# Altium PCB Archimajor.PcbDoc (part 11 of 13)
Units mil, origin at the board's own origin, x right, y up, seen from the top; angles counter-clockwise.
Board outline 7480.32 x 5511.81 mil, 6 copper layers (Top Layer, Top GND, Power Plane, Mid1, Bot GND, Bottom Layer), stack 69.913 mil thick; 1038 components, 682 nets, 3229 pads, 2870 vias.
Unrouted connection lines stored in the file: 97.
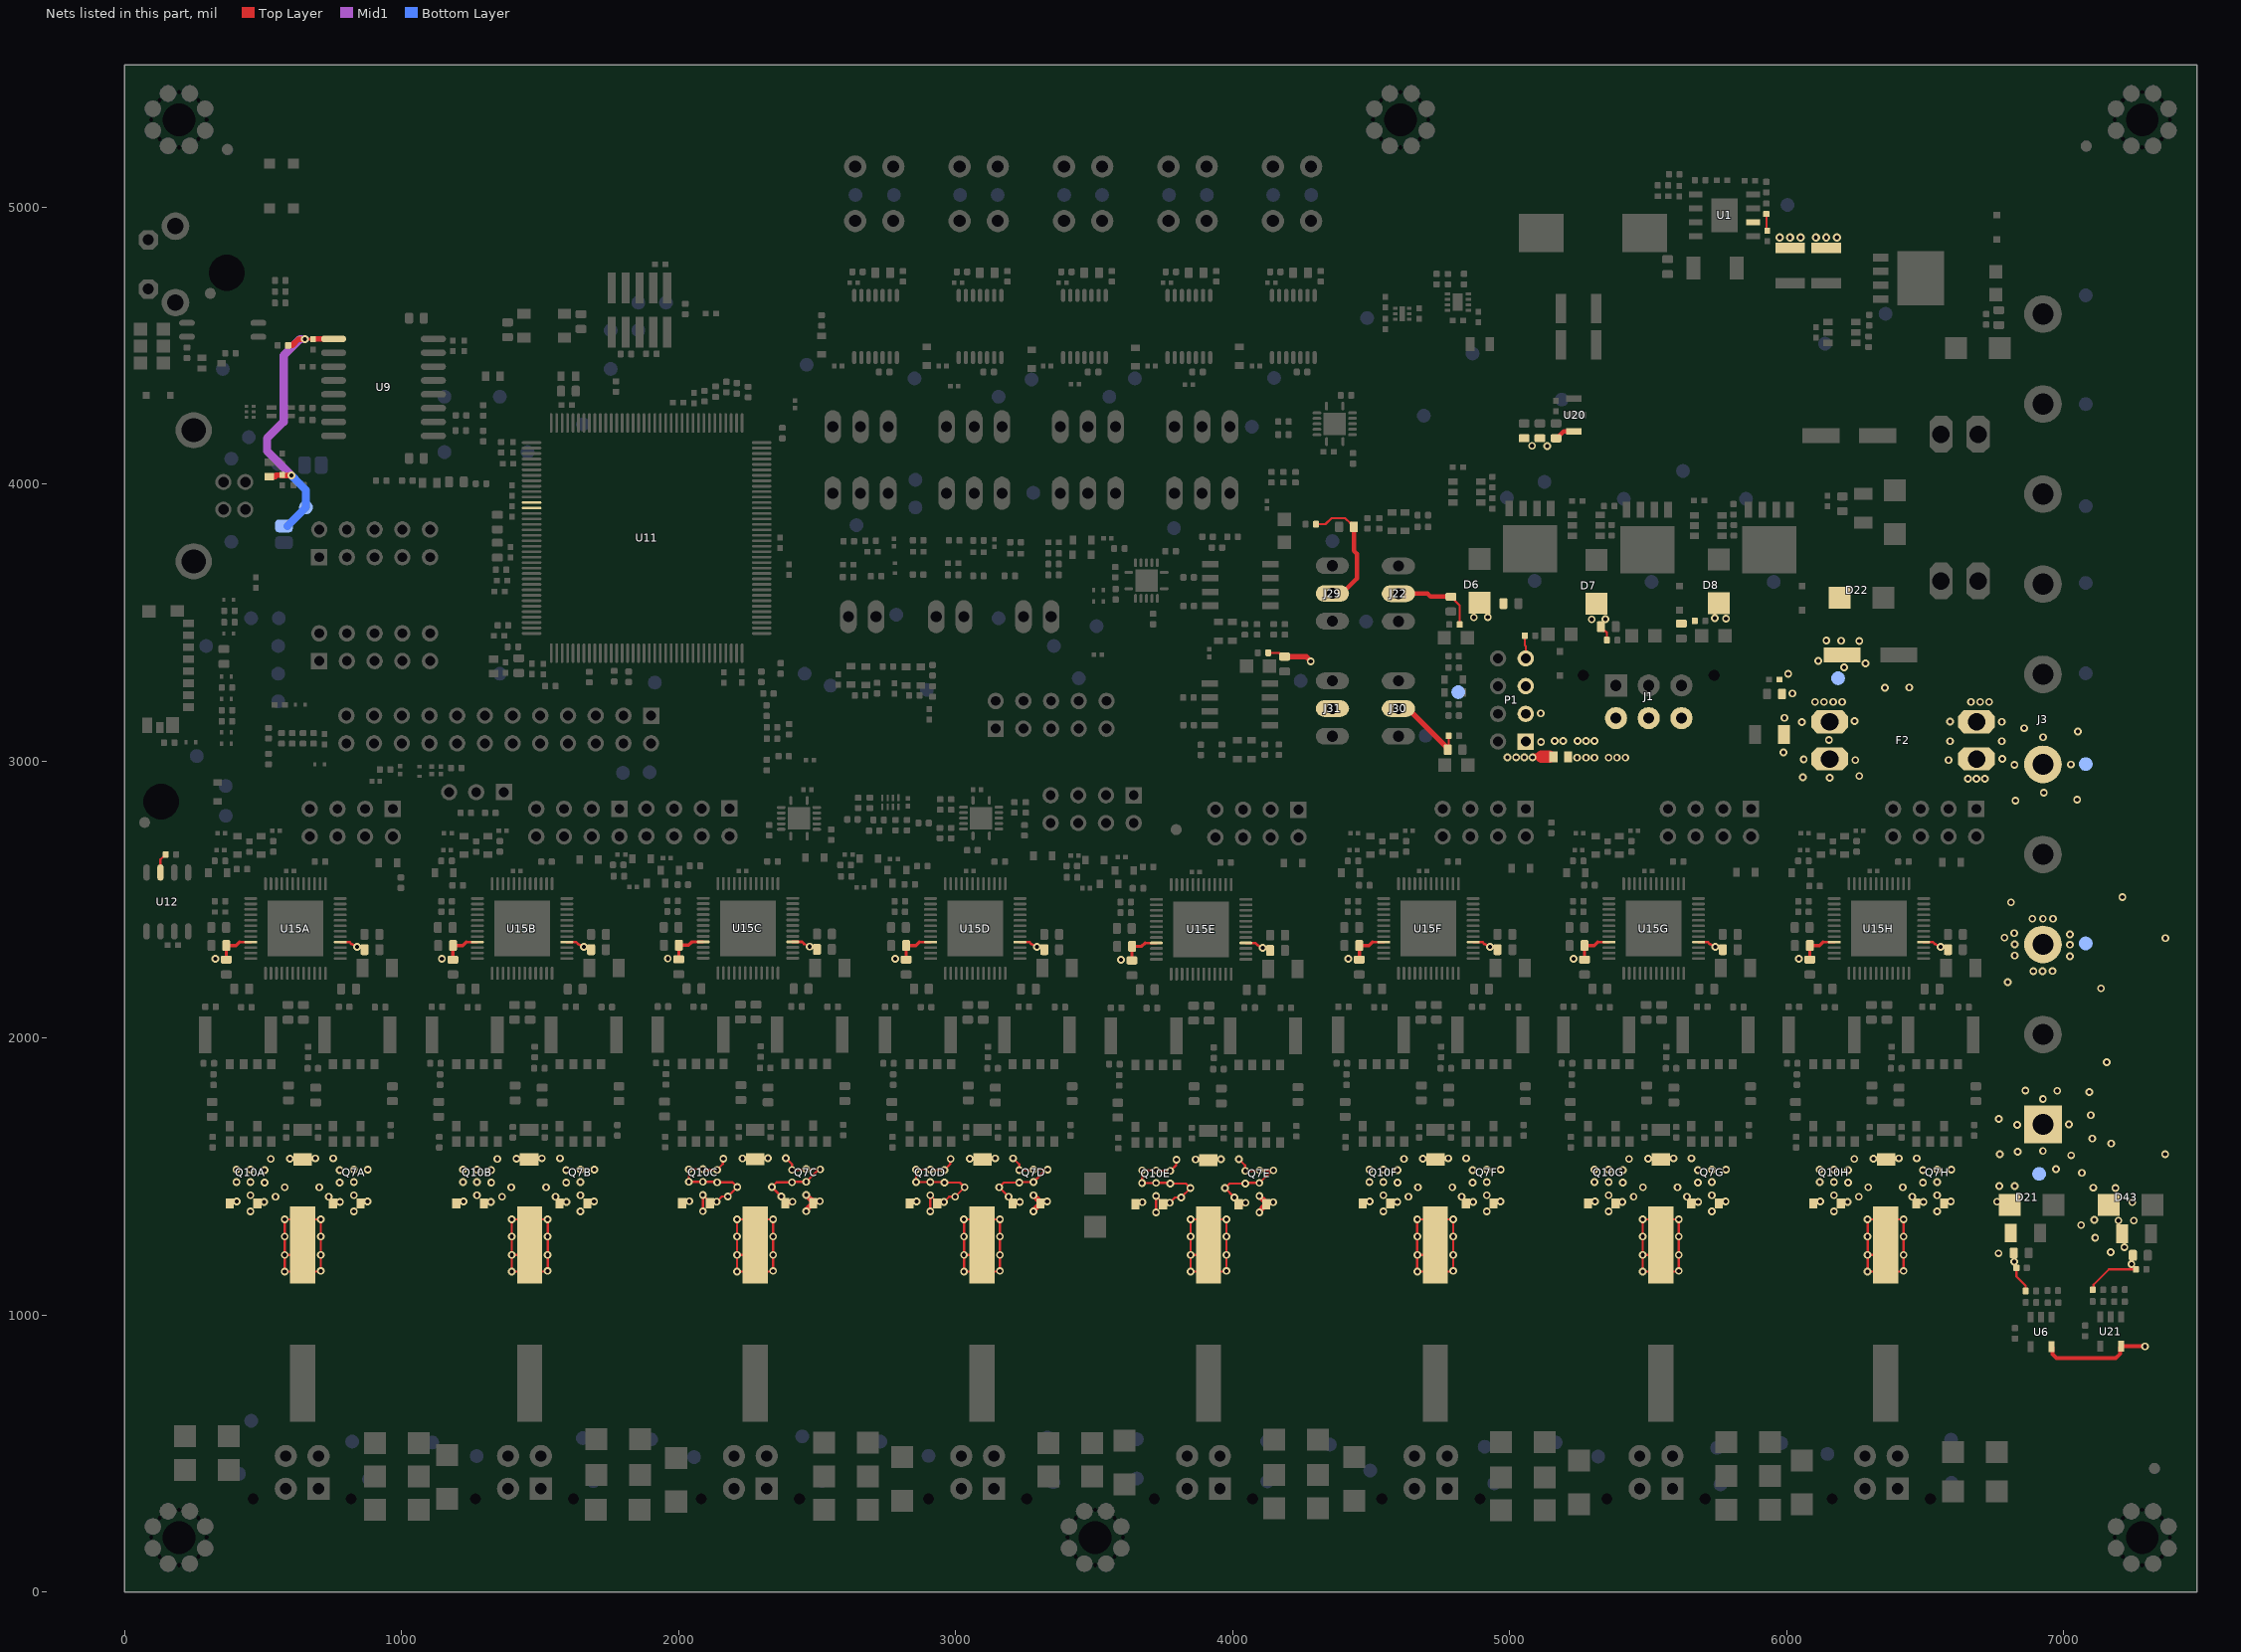
[diagram p15: the nets of this part, all layers, seen from the top]

## Via types
v1: diameter 28, hole 15, Top Layer to Bottom Layer, tented both sides, 2412 vias
v2: diameter 22, hole 10, Top Layer to Bottom Layer, 302 vias
v3: diameter 28, hole 15, Top Layer to Bottom Layer, 113 vias
v4: diameter 29, hole 15, Top Layer to Bottom Layer, tented both sides, 16 vias
v5: diameter 30, hole 15, Top Layer to Bottom Layer, 16 vias
v6: diameter 22, hole 10, Top Layer to Bottom Layer, tented both sides, 11 vias

## Nets (pads, with @x,y where several pads share a name; then routed paths per layer and width w, separated by ;. In a path a pad name is that pad's centre, name@x,y a point inside that pad or via, vN(x,y) a via of type N, cw(c..) or ccw(c..) an arc to the next point about the centre after c; other vN are vias at no path point) (continued)
VFAN: C153.1 C154.1 C209.1 C211.1 J22.2 J29.2 J30.2 J31.2 P1.1 P1.3 R12.2 R14.2 R15.2 R96.2 R103.2 TP1.TP | length 1308.8
  Top Layer w8: R15.2@4128.96,3390.13 4168.02,3390.13 4181.6,3376.55 C211.1@4187.71,3376.55 ; R96.2@4301.2,3854.7 4335.35,3854.7 4357.19,3876.54 4406.22,3876.54 4423.35,3859.41 4427.48,3859.41 4437.91,3848.99 C154.1@4437.91,3844.86 ; C209.1@4776.1,3040.72 4779.73,3044.36 R14.2@4779.73,3090.92 ; C153.1@4792.23,3593.09 4802.66,3582.66 4802.66,3578.53 4819.9,3561.29 R12.2@4819.9,3492.5
  Top Layer w16: J29.2@4360.24,3604.72 4394.43,3604.72 4448.54,3658.83 4448.54,3747.42 4437.91,3758.05 C154.1@4437.91,3844.86 ; J22.2@4598.42,3603.74 4703.44,3603.74 4714.09,3593.09 C153.1@4788.11,3593.09 C153.1@4792.23,3593.09
  Top Layer w20: C211.1@4187.71,3376.55 4265.27,3376.55 v1(4282.2,3359.62) ; J30.2@4598.42,3188.98 4632.96,3188.98 4771.53,3050.41 4771.53,3045.29 C209.1@4776.1,3040.72 ; 5143.42,3015.13 R103.2@5158.01,3015.13
  Top Layer w24: v1(5082.4,3013.16) 5083.16,3013.93 5085.99,3013.93 5087.19,3015.13 5114.88,3015.13
  Top Layer w44: 5114.88,3015.13 5143.42,3015.13
  other v1: 4991.85,3013.16 5023.34,3013.16 5052.87,3013.16 5112.91,3068.28 5111.92,3171.63
VMOTA: C47A.2 C47B.2 C47C.2 C47D.2 C61A.2 C61B.2 C61C.2 C61D.2 C93.2 C94.1 C95.1 C121A.2 C121B.2 C121C.2 C121D.2 C122A.2 C122B.2 C122C.2 C122D.2 C152A.1 C152B.1 C152C.1 C152D.1 D43.K J3.3 Q7A.5 Q7A.7 Q7B.5 Q7B.7 Q7C.5 Q7C.7 Q7D.5 Q7D.7 Q10A.5 Q10A.7 Q10B.5 Q10B.7 Q10C.5 Q10C.7 Q10D.5 Q10D.7 R154.1 TP79.1 U15A.4 U15A.33 U15B.4 U15B.33 U15C.4 U15C.33 U15D.4 U15D.33 | length 6460
  Top Layer w8: C152A.1@643.5,1252.83 607.7,1217.03 v1(578.55,1217.03) ; C152B.1@1427.01,1217.03 v1(1397.87,1217.03) ; Q10C.5@2013.2,1403.53 2020.47,1410.8 v1(2038.74,1410.8) ; v1(2087.95,1374.38) v1@2087.95,1432.72 ; v1(2087.95,1433.44) v1@2087.95,1432.72 ; v1(2161.77,1564.46) 2160.33,1563.03 2160.33,1545.13 v1(2139.13,1523.93) 2089.98,1523.93 v1(2087.95,1525.96) 2037.45,1525.96 v1(2037.27,1525.78) v1(2037.27,1480.5) 2087.77,1480.5 v1(2087.95,1480.68) 2137.1,1480.68 v1(2139.13,1478.65) 2195.29,1478.65 v1(2211.96,1461.98) 2211.96,1461.6 v1(2178.02,1427.65) 2156.37,1427.65 v1(2137.66,1408.95) 2118.62,1408.95 Q10C.7@2113.2,1403.53 2113.2,1407.47 v1@2087.95,1432.72 ; v1(2230.63,1565.33) 2273.19,1565.33 C61C.2@2276.18,1562.34 2280.16,1566.31 v1(2322.16,1566.31) ; C152C.1@2276.51,1252.83 2240.7,1217.03 v1(2211.56,1217.03) ; Q7C.5@2385.69,1403.53 2385.69,1407.47 2370.87,1422.29 v1(2370.87,1427.65) 2370.87,1428.04 v1(2336.92,1461.98) 2353.59,1478.65 v1(2409.76,1478.65) 2411.79,1480.68 v1(2460.94,1480.68) 2498.44,1518.18 2498.61,1518.18 2506.21,1525.78 v1(2511.62,1525.78) 2511.44,1525.96 v1(2460.94,1525.96) 2458.91,1523.93 v1(2409.76,1523.93) 2409.25,1524.44 2409.25,1544.19 v1(2387.12,1566.31) ; Q10D.5@2833.76,1402.57 2841.02,1409.84 v1(2859.29,1409.84) ; v1(2908.5,1373.43) v1@2908.5,1431.76 ; v1(2908.5,1432.48) v1@2908.5,1431.76 ; v1(2982.32,1563.51) 2980.89,1562.07 2980.89,1544.17 v1(2959.68,1522.97) 2910.53,1522.97 v1(2908.5,1525) 2858.01,1525 v1(2857.83,1524.82) v1(2857.83,1479.54) 2908.32,1479.54 v1(2908.5,1479.72) 2957.65,1479.72 v1(2959.68,1477.69) 3015.85,1477.69 v1(3032.52,1461.02) 3032.52,1460.64 v1(2998.57,1426.69) 2976.92,1426.69 v1(2958.22,1407.99) 2939.17,1407.99 Q10D.7@2933.76,1402.57 2933.76,1406.51 v1@2908.5,1431.76 ; v1(3051.18,1564.37) 3093.75,1564.37 C61D.2@3096.74,1561.38 3100.72,1565.35 v1(3142.72,1565.35) ; C152D.1@3095.35,1252.83 3059.55,1217.03 v1(3030.41,1217.03) ; Q7D.5@3206.24,1402.57 3206.24,1406.51 3191.42,1421.33 v1(3191.42,1426.69) 3191.42,1427.08 v1(3157.48,1461.02) 3174.15,1477.69 v1(3230.31,1477.69) 3232.35,1479.72 v1(3281.5,1479.72) 3319,1517.23 3319.17,1517.23 3326.76,1524.82 v1(3332.17,1524.82) 3331.99,1525 v1(3281.5,1525) 3279.47,1522.97 v1(3230.31,1522.97) 3229.8,1523.48 3229.8,1543.23 v1(3207.68,1565.35) ; R154.1@7104.6,1090.81 7107.73,1093.94 7107.73,1109.06 7163.28,1164.61 C94.1@7260.8,1164.61 ; v1(578.55,1217.03) v1(578.55,1282.98) 578.55,1344.98 645.45,1344.98 v1(708.48,1344.98) 708.48,1282.98 708.48,1217.03 708.48,1156.96 647.42,1156.96 v1(578.55,1156.96) v1(578.55,1217.03) ; v1(1397.87,1217.03) v1(1397.87,1282.98) 1397.87,1344.98 1464.76,1344.98 1489.83,1344.98 v1(1527.79,1344.98) v1(1527.76,1282.98) v1(1527.76,1217.03) 1527.79,1156.96 1466.73,1156.96 v1(1397.87,1156.96) v1(1397.87,1217.03) ; v1(2211.56,1217.03) v1(2211.56,1282.98) 2211.56,1344.98 2278.46,1344.98 v1(2341.48,1344.98) v1(2341.45,1282.98) v1(2341.45,1217.03) 2341.48,1156.96 2280.43,1156.96 v1(2211.56,1156.96) v1(2211.56,1217.03) ; v1(3030.41,1217.03) v1(3030.41,1282.98) v1(3030.38,1344.98) 3097.3,1344.98 v1(3160.33,1344.98) v1(3160.3,1282.98) v1(3160.3,1217.03) 3160.33,1156.96 3099.27,1156.96 v1(3030.41,1156.96) v1(3030.41,1217.03)
  Top Layer w9: 415.25,2345.88 U15A.33@456,2345.88 ; U15A.4@778.83,2345.88 813.09,2345.88 820.37,2338.6 v1(840.05,2328.76) ; 1233.16,2345.88 U15B.33@1273.91,2345.88 ; U15B.4@1596.75,2345.88 1631,2345.88 1638.28,2338.6 v1(1657.97,2328.76) ; 2048.44,2346.84 U15C.33@2089.18,2346.84 ; U15C.4@2412.02,2346.84 2446.27,2346.84 2453.55,2339.56 v1(2473.24,2329.72) ; 2868.99,2345.88 U15D.33@2909.74,2345.88 ; U15D.4@3232.57,2345.88 3266.83,2345.88 3274.11,2338.6 v1(3293.79,2328.76)
  Top Layer w12: C47A.2@367.61,2282.69 367.81,2282.89 C121A.2@367.81,2333.68 403.05,2333.68 415.25,2345.88 ; C47B.2@1185.53,2282.69 1185.72,2282.89 C121B.2@1185.72,2333.68 1220.96,2333.68 1233.16,2345.88 ; C47C.2@2000.8,2283.65 2001,2283.85 C121C.2@2001,2334.64 2036.23,2334.64 2048.44,2346.84 ; C47D.2@2821.35,2282.69 2821.55,2282.89 C121D.2@2821.55,2333.68 2856.79,2333.68 2868.99,2345.88
  Top Layer w20: Q10A.5@380.02,1402.57 Q10A.5@383.31,1405.87 ; Q7A.5@752.5,1402.57 752.73,1402.8 Q7A.5@752.73,1401.74 ; Q10B.5@1197.93,1402.57 Q10B.5@1201.22,1405.87 ; Q7B.5@1570.42,1402.57 1570.64,1402.8 Q7B.5@1570.64,1401.74 ; Q7C.5@2385.69,1403.53 Q7C.5@2385.91,1403.76 ; Q7C.5@2385.91,1402.7 Q7C.5@2385.91,1403.76 ; v1(2411.22,1408.95) 2409.69,1407.42 2389.58,1407.42 Q7C.5@2385.91,1403.76 ; v1(2460.94,1374.38) 2462.47,1375.91 2462.47,1380.32 2476.99,1394.83 2480.92,1394.83 2485.69,1399.6 Q7C.7@2485.69,1403.53 ; v1(2460.94,1433.44) 2480.92,1413.46 2480.92,1408.3 Q7C.7@2485.69,1403.53 ; v1(2510.15,1410.8) 2508.62,1409.27 2490.45,1409.27 2485.69,1404.51 Q7C.7@2485.69,1403.53 ; Q7D.5@3206.24,1402.57 Q7D.5@3206.47,1402.8 ; Q7D.5@3206.47,1401.74 Q7D.5@3206.47,1402.8 ; v1(3231.78,1407.99) 3230.25,1406.46 3210.13,1406.46 Q7D.5@3206.47,1402.8 ; v1(3281.5,1373.43) 3283.03,1374.96 3283.03,1379.36 3297.54,1393.87 3301.48,1393.87 3306.24,1398.64 Q7D.7@3306.24,1402.57 ; v1(3281.5,1432.48) 3301.48,1412.5 3301.48,1407.34 Q7D.7@3306.24,1402.57 ; v1(3330.71,1409.84) 3329.18,1408.31 3311.01,1408.31 3306.24,1403.55 Q7D.7@3306.24,1402.57
  other v1: 708.44,1158.96 1527.76,1158.96 2341.45,1158.96 3160.3,1158.96 7244.4,1183.33 708.44,1217.03 7169.52,1227.01 7218.66,1244.17 7113.36,1278.49 708.44,1282.98 7062.9,1324.19 7197.6,1340.89 7252.98,1340.89 7110.24,1343.23 578.52,1344.98 1397.84,1344.98 2211.53,1344.98 454.76,1373.43 827.76,1373.43 1645.67,1373.43 7247.52,1407.19 504.48,1407.99 778.04,1407.99 1322.39,1407.99 1595.95,1407.99 405.55,1409.84 876.97,1409.84 1223.46,1409.84 1694.88,1409.84 544.83,1426.69 737.68,1426.69 1362.75,1426.69 1555.6,1426.69 454.76,1432.48 827.76,1432.48 1272.68,1432.48 1645.67,1432.48 7107.12,1459.45 7186.68,1458.67 578.78,1461.02 703.74,1461.02 1396.69,1461.02 1521.65,1461.02 505.94,1477.69 776.57,1477.69 1323.86,1477.69 1594.49,1477.69 404.09,1479.54 1222,1479.54 454.76,1479.72 827.76,1479.72 1272.68,1479.72 1645.67,1479.72 7065.24,1512.95 505.94,1522.97 776.57,1522.97 1323.86,1522.97 1594.49,1522.97 404.09,1524.82 454.76,1525 827.76,1525 878.43,1524.82 1222,1524.82 1272.68,1525 1645.67,1525 1696.35,1524.82 528.58,1563.51 1346.5,1563.51 597.44,1564.37 1415.35,1564.37 688.98,1565.35 753.94,1565.35 1506.89,1565.35 1571.85,1565.35 7366.32,1580.81 7171.32,1619.03 7155.72,1912.31 7134.66,2179.07 6798.48,2200.91 6890.52,2240.69 6924.06,2240.69 6959.94,2241.47 328,2285.53 1145.91,2285.53 2781.74,2285.53 1961.18,2286.49 7022.34,2295.29 6822.66,2297.63 6823.44,2337.41 7022.34,2336.63 7367.1,2360.03 6786,2362.37 7022.34,2373.29 6821.1,2377.97 6886.62,2430.23 6924.84,2430.23 6961.5,2430.23 6809.4,2489.51 7211.88,2508.23
VMOTE: C14.2 C17.1 C18.1 C47E.2 C47F.2 C47G.2 C47H.2 C61E.2 C61F.2 C61G.2 C61H.2 C121E.2 C121F.2 C121G.2 C121H.2 C122E.2 C122F.2 C122G.2 C122H.2 C152E.1 C152F.1 C152G.1 C152H.1 D21.K J3.1 Q7E.5 Q7E.7 Q7F.5 Q7F.7 Q7G.5 Q7G.7 Q7H.5 Q7H.7 Q10E.5 Q10E.7 Q10F.5 Q10F.7 Q10G.5 Q10G.7 Q10H.5 Q10H.7 R26.1 TP33.1 U15E.4 U15E.33 U15F.4 U15F.33 U15G.4 U15G.33 U15H.4 U15H.33 | length 5240
  Top Layer w8: Q10E.5@3649.03,1399.6 3656.29,1406.87 v1(3674.56,1406.87) ; v1(3723.77,1370.45) v1@3723.77,1428.79 ; v1(3723.77,1429.5) v1@3723.77,1428.79 ; v1(3797.59,1560.53) 3796.16,1559.09 3796.16,1541.19 v1(3774.96,1519.99) 3725.81,1519.99 v1(3723.77,1522.02) 3673.28,1522.02 v1(3673.1,1521.84) v1(3673.1,1476.57) 3723.59,1476.57 v1(3723.77,1476.75) 3772.93,1476.75 v1(3774.96,1474.72) 3831.12,1474.72 v1(3847.79,1458.05) 3847.79,1457.66 v1(3813.85,1423.72) 3792.19,1423.72 v1(3773.49,1405.02) 3754.45,1405.02 Q10E.7@3749.03,1399.6 3749.03,1403.53 v1@3723.77,1428.79 ; v1(3866.45,1561.39) 3909.02,1561.39 C61E.2@3912.01,1558.4 3915.99,1562.38 v1(3957.99,1562.38) ; C152E.1@3913.02,1252.83 3877.22,1217.03 v1(3848.08,1217.03) ; Q7E.5@4021.51,1399.6 4021.51,1403.53 4006.7,1418.35 v1(4006.7,1423.72) 4006.7,1424.1 v1(3972.75,1458.05) 3989.42,1474.72 v1(4045.59,1474.72) 4047.62,1476.75 v1(4096.77,1476.75) 4134.27,1514.25 4134.44,1514.25 4142.03,1521.84 v1(4147.44,1521.84) 4147.26,1522.02 v1(4096.77,1522.02) 4094.74,1519.99 v1(4045.59,1519.99) 4045.07,1520.5 4045.07,1540.25 v1(4022.95,1562.38) ; C152F.1@4731.48,1252.83 4695.68,1217.03 v1(4666.53,1217.03) ; C152G.1@5545.64,1252.83 5509.84,1217.03 v1(5480.7,1217.03) ; C152H.1@6357.16,1252.83 6321.35,1217.03 v1(6292.21,1217.03) ; C17.1@6829.46,1170.07 6829.46,1138.85 6862.38,1105.92 6862.38,1087.02 R26.1@6862.8,1086.61 ; v1(3848.08,1217.03) v1(3848.08,1282.98) 3848.08,1344.98 3914.98,1344.98 v1(3978,1344.98) v1(3977.97,1282.98) v1(3977.97,1217.03) ; v1(3848.08,1217.03) v1(3848.08,1156.96) 3856.26,1156.96 3916.94,1156.96 v1@3978,1156.96 ; v1@3978,1156.96 v1(3977.97,1217.03) ; v1@3978,1156.96 v1(3977.97,1217.03) ; v1(4666.53,1217.03) v1(4666.53,1282.98) v1(4666.5,1344.98) 4733.43,1344.98 v1(4796.46,1344.98) 4796.46,1282.98 v1@4796.46,1217.03 ; v1(4666.53,1217.03) v1(4666.53,1156.96) 4735.4,1156.96 v1@4796.46,1156.96 ; v1@4796.46,1156.96 v1@4796.46,1217.03 ; v1@4796.46,1156.96 v1@4796.46,1217.03 ; v1(5480.7,1217.03) v1(5480.7,1282.98) v1(5480.67,1344.98) 5547.6,1344.98 v1(5610.62,1344.98) v1(5610.59,1282.98) v1(5610.59,1217.03) 5610.62,1156.96 5549.56,1156.96 v1(5480.7,1156.96) v1(5480.7,1217.03) ; v1(6292.21,1217.03) v1(6292.21,1156.96) 6361.08,1156.96 6415.66,1156.96 6422.13,1156.96 v1(6422.1,1217.03) v1(6422.1,1282.98) v1(6422.13,1344.98) 6359.11,1344.98 v1(6292.18,1344.98) v1(6292.21,1282.98) v1(6292.21,1217.03)
  Top Layer w9: 3684.26,2342.9 U15E.33@3725.01,2342.9 ; U15E.4@4047.85,2342.9 4082.1,2342.9 4089.38,2335.62 v1(4109.07,2325.78) ; 4504.82,2345.88 U15F.33@4545.57,2345.88 ; U15F.4@4868.4,2345.88 4902.65,2345.88 4909.94,2338.6 v1(4929.62,2328.76) ; 5317.82,2345.88 U15G.33@5358.57,2345.88 ; U15G.4@5681.4,2345.88 5715.65,2345.88 5722.94,2338.6 v1(5742.62,2328.76) ; 6130.82,2345.88 U15H.33@6171.57,2345.88 ; U15H.4@6494.4,2345.88 6528.65,2345.88 6535.94,2338.6 v1(6555.62,2328.76)
  Top Layer w12: C47E.2@3636.62,2279.72 3636.82,2279.91 C121E.2@3636.82,2330.7 3672.06,2330.7 3684.26,2342.9 ; C47F.2@4457.18,2282.69 4457.38,2282.89 C121F.2@4457.38,2333.68 4492.61,2333.68 4504.82,2345.88 ; C47G.2@5270.18,2282.69 5270.38,2282.89 C121G.2@5270.38,2333.68 5305.61,2333.68 5317.82,2345.88 ; C47H.2@6083.18,2282.69 6083.38,2282.89 C121H.2@6083.38,2333.68 6118.61,2333.68 6130.82,2345.88
  Top Layer w20: Q7E.5@4021.51,1399.6 Q7E.5@4021.74,1399.82 ; Q7E.5@4021.74,1398.77 Q7E.5@4021.74,1399.82 ; v1(4047.05,1405.02) 4045.52,1403.49 4025.4,1403.49 Q7E.5@4021.74,1399.82 ; v1(4096.77,1370.45) 4098.3,1371.98 4098.3,1376.38 4112.81,1390.9 4116.75,1390.9 4121.51,1395.66 Q7E.7@4121.51,1399.6 ; v1(4096.77,1429.5) 4116.75,1409.52 4116.75,1404.36 Q7E.7@4121.51,1399.6 ; v1(4145.98,1406.87) 4144.45,1405.33 4126.28,1405.33 4121.51,1400.57 Q7E.7@4121.51,1399.6 ; Q10F.5@4469.58,1402.57 Q10F.5@4472.88,1405.87 ; Q7F.5@4842.07,1402.57 4842.3,1402.8 Q7F.5@4842.3,1401.74 ; Q10G.5@5282.58,1402.57 Q10G.5@5285.88,1405.87 ; Q7G.5@5655.07,1402.57 5655.3,1402.8 Q7G.5@5655.3,1401.74 ; Q10H.5@6095.58,1402.57 Q10H.5@6098.88,1405.87 ; Q7H.5@6468.07,1402.57 6468.3,1402.8 Q7H.5@6468.3,1401.74
  other v1: 3977.97,1158.96 4796.42,1158.96 5610.59,1158.96 6422.1,1158.96 6821.64,1192.48 4796.42,1217.03 6764.68,1222.48 4796.42,1282.98 3848.05,1344.98 4544.33,1373.43 4917.32,1373.43 5357.33,1373.43 5730.32,1373.43 6170.33,1373.43 6543.32,1373.43 4594.05,1407.99 4867.61,1407.99 5407.05,1407.99 5680.61,1407.99 6220.05,1407.99 6493.61,1407.99 6759.24,1408.75 4495.12,1409.84 4966.54,1409.84 5308.12,1409.84 5779.54,1409.84 6121.12,1409.84 6592.54,1409.84 4634.4,1426.69 4827.25,1426.69 5447.4,1426.69 5640.25,1426.69 6260.4,1426.69 6453.25,1426.69 4544.33,1432.48 4917.32,1432.48 5357.33,1432.48 5730.32,1432.48 6170.33,1432.48 6543.32,1432.48 4668.35,1461.02 4793.31,1461.02 5481.35,1461.02 5606.31,1461.02 6294.35,1461.02 6419.31,1461.02 6767.04,1465.69 6823.2,1465.69 4595.51,1477.69 4866.14,1477.69 5408.51,1477.69 5679.14,1477.69 6221.51,1477.69 6492.14,1477.69 4493.65,1479.54 5306.65,1479.54 6119.65,1479.54 4544.33,1479.72 4917.32,1479.72 5357.33,1479.72 5730.32,1479.72 6170.33,1479.72 6543.32,1479.72 4595.51,1522.97 4866.14,1522.97 5408.51,1522.97 5679.14,1522.97 6221.51,1522.97 6492.14,1522.97 4493.65,1524.82 4544.33,1525 4917.32,1525 4968,1524.82 5306.65,1524.82 5357.33,1525 5730.32,1525 5781,1524.82 6119.65,1524.82 6170.33,1525 6543.32,1525 6594,1524.82 6971.64,1526.21 4618.15,1563.51 5431.15,1563.51 6244.15,1563.51 4687.01,1564.37 5500.01,1564.37 6313.01,1564.37 4778.54,1565.35 4843.5,1565.35 5591.54,1565.35 5656.5,1565.35 6404.54,1565.35 6469.5,1565.35 7027.02,1576.13 6768.84,1580.81 6834.36,1589.39 6924.84,1591.73 7102.68,1636.97 6832.02,1686.11 7019.22,1687.67 6765.72,1707.95 7097.22,1721.21 6924.84,1779.71 7092.54,1804.67 6976.32,1809.35 6861.66,1810.13 3597.01,2282.55 4417.57,2285.53 5230.57,2285.53 6043.57,2285.53
VPWR: C6.2 C7.2 C8.1 C9.1 C10.1 C25.1 C35.1 C36.1 C38.2 C71.2 C199.1 C202.1 C203.1 D6.C D7.C D8.C D22.K F2.2 J1.2 J1.4 J1.6 P1.5 P1.7 R6.2 R7.2 R8.2 R11.2 R103.1 TP46.1 U1.2 U6.5 U20.3 U21.5 | length 682.7
  Top Layer w8: R6.2@5054.54,3452.14 5054.54,3417.99 5058.07,3414.46 P1.7@5058.07,3370.08 ; C9.1@5329.25,3484.62 5329.25,3480.49 5339.67,3470.06 5343.8,3470.06 5350.8,3463.07 R7.2@5350.8,3436.39 ; R11.2@5926.35,4974.71 5927.35,4973.71 C71.2@5927.35,4914.59
  Top Layer w14: U6.5@6955.76,886.04 6959.59,882.21 6959.59,858.96 6974.52,844.03 7187.46,844.03 7203.07,859.64 7203.07,882.83 U21.5@7206.9,886.66 v1(7293.54,886.66)
  Top Layer w16: C203.1@5167,4161.13 5195.1,4189.23 U20.3@5231.96,4189.23 ; C25.1@6198.34,3384.31 C25.1@6200.04,3382.61
  other v1: 6154.98,2939.57 6058.26,2941.13 6261.84,2945.81 6247.8,3002.75 6061.38,3005.87 5243.81,3012.18 5275.31,3012.18 5305.82,3012.18 5357,3012.18 5387.51,3012.18 5418.03,3012.18 5988.84,3030.83 5162.12,3072.22 5192.63,3072.22 5244.8,3072.22 5275.31,3072.22 5305.82,3072.22 6152.64,3075.29 6055.14,3140.81 6244.68,3143.93 5991.96,3155.63 6102.19,3213.09 6134.67,3213.09 6168.13,3213.09 6200.61,3213.09 6020.82,3243.77 6354.66,3264.05 6442.02,3264.83 6005.22,3314.75 6207.24,3338.15 6284.46,3352.19 6113.64,3360.77 6261.84,3433.31 6197.1,3434.09 6143.28,3434.87 5295.98,3511.2 5346.18,3512.18 5781.22,3514.15 5740.86,3515.13 4870.78,3518.09 4920.98,3519.07 5136.12,4136.5
  other v3: 5081.12,4137.5
  other v5: 5974.57,4889.68 6011.98,4889.68 6050.36,4889.68 6105.48,4889.68 6142.88,4889.68 6181.27,4889.68
VPWR_IN: F2.1 J3.5 TP48.1 | length 251.3
  Mid1 w10: J3.5@6965,2987.53 ccw(c6925,2987.53) J3.5@6965,2987.53
  other v1: 6825.78,2856.89 7048.08,2860.79 6927.96,2885.75 6654.18,2935.53 6685.19,2935.53 6715.02,2935.67 6821.88,2985.59 7025.46,2987.15 6584.76,3002.75 6777.85,3007.38 6589.44,3071.39 6776.87,3071.35 6925.62,3085.43 7051.2,3106.49 6856.98,3118.19 6776.87,3141.24 6590.22,3142.37 6664.67,3213.09 6698.13,3213.09 6730.61,3213.09
VUSB: C28.1 C32.1 FB29.1 JP1.2 R152.1 TP31.1 U9.1 | length 1082.3
  Top Layer w10: v1(651,4522.53) 651.3,4522.23 C28.1@680,4522.23
  Top Layer w20: FB29.1@523.46,4025.76 543.78,4025.76 543.78,4027.91 547.95,4032.09 C32.1@569.66,4032.09 571.2,4030.55 v3(602.73,4030.55) ; R152.1@591.03,4500.17 605.4,4500.17 627.46,4522.23 v1@651.3,4522.23 ; C28.1@682,4523.53 U9.1@754.88,4523.53
  Mid1 w30: v3(602.73,4030.55) 514.76,4118.52 514.76,4164.61 574.38,4224.24 574.38,4463.24 633.67,4522.53 v1(651,4522.53)
  Bottom Layer w28: JP1.2@587.87,3847.88 TP31.1@655,3915.01 655,3977.59 633.43,3999.16 633.43,3999.85 v3(602.73,4030.55)
WP#: R85.1 U12.3 | length 74.2
  Top Layer w8: U12.3@130.02,2597.27 130.02,2643.54 R85.1@148.68,2662.21 R85.1@148.68,2660.69
XIN32: U11.48
XOUT32: U11.49
pads on no net: D6. D7. D8. D15. D21. D22. D43. D46A. D46B. D46C. D46D. D46E. D46F. D46G. D46H. D47A. D47B. D47C. D47D. D47E. D47F. D47G. D47H. D48A. D48B. D48C. D48D. D48E. D48F. D48G. D48H. D49A. D49B. D49C. D49D. D49E. D49F. D49G. D49H. D78. FD1.F FD2.F FD3.F FD4.F FD5.F FD6.F FD7.F H1.0 H2.0 H3. H4. H4.1 H5. H6.0 H7.0 H8.0 H9.0 J1. J2A. J2B. J2C. J2D. J2E. J2F. J2G. J2H. J5. J6. J7. J9. J10. J11. J14. J15. J16. J22. J29. J30. J31. J32. J33. TP2.TP U3.5 U4.5 U5.5 U7.5 U19. X1.

## Polygon pours and split planes (outlines as drawn)
GND on Top Layer "Endstops and Therm Top" (solid, remove dead copper, pour order 2355): 3713.86,4285.7 4057.71,4285.7 4083.3,4260.11 4083.3,3792.89 4054.44,3764.03 3853.98,3764.03 3775.98,3842.03 3713.86,3842.03 3713.86,3568.8 3713.86,3374.21 3546.76,3207.11 2622.44,3207.11 2514.57,3314.98 2514.57,4287.95
VMOTE on Top Layer "Direct Connect" (solid, remove dead copper, pour order 2708): 6032.57,1607.53 6020.57,1595.53 6020.57,1378.46 6127.57,1271.46 6286.75,1112.28 6425.37,1112.28 6680.57,1367.48 6680.57,1596.53 6667.57,1609.53
VMOTE on Top Layer "Direct Connect" (solid, remove dead copper, pour order 2706): 5219.57,1607.53 5207.57,1595.53 5207.57,1378.46 5314.57,1271.46 5473.75,1112.28 5612.37,1112.28 5867.57,1367.48 5867.57,1596.53 5854.57,1609.53
VMOTE on Top Layer "Direct Connect" (solid, remove dead copper, pour order 2704): 4406.57,1607.53 4394.57,1595.53 4394.57,1378.46 4501.57,1271.46 4660.75,1112.28 4799.37,1112.28 5054.57,1367.48 5054.57,1596.53 5041.57,1609.53
VMOTE on Top Layer "Direct Connect" (solid, remove dead copper, pour order 2702): 3586.01,1604.55 3574.01,1592.55 3574.01,1375.49 3681.01,1268.49 3840.19,1109.3 3978.81,1109.3 4234.01,1364.5 4234.01,1593.55 4221.01,1606.55
VMOTA on Top Layer "Direct Connect" (solid, remove dead copper, pour order 2700): 2770.74,1609.38 2758.74,1597.38 2758.74,1380.31 2865.74,1273.31 3024.92,1114.13 3163.54,1114.13 3418.74,1369.33 3418.74,1598.38 3405.74,1611.38
VMOTA on Top Layer "Direct Connect" (solid, remove dead copper, pour order 2696): 1950.18,1608.49 1938.18,1596.49 1938.18,1379.42 2045.18,1272.42 2204.37,1113.24 2342.98,1113.24 2598.18,1368.44 2598.18,1597.49 2585.18,1610.49